# Altium PCB 智能灯控制器.PcbDoc
Units mm, origin at the board's own origin, x right, y up, seen from the top; angles counter-clockwise.
Board outline 70.15 x 45.15 mm, 2 copper layers (Top Layer, Bottom Layer); 31 components, 29 nets, 132 pads, 109 vias.
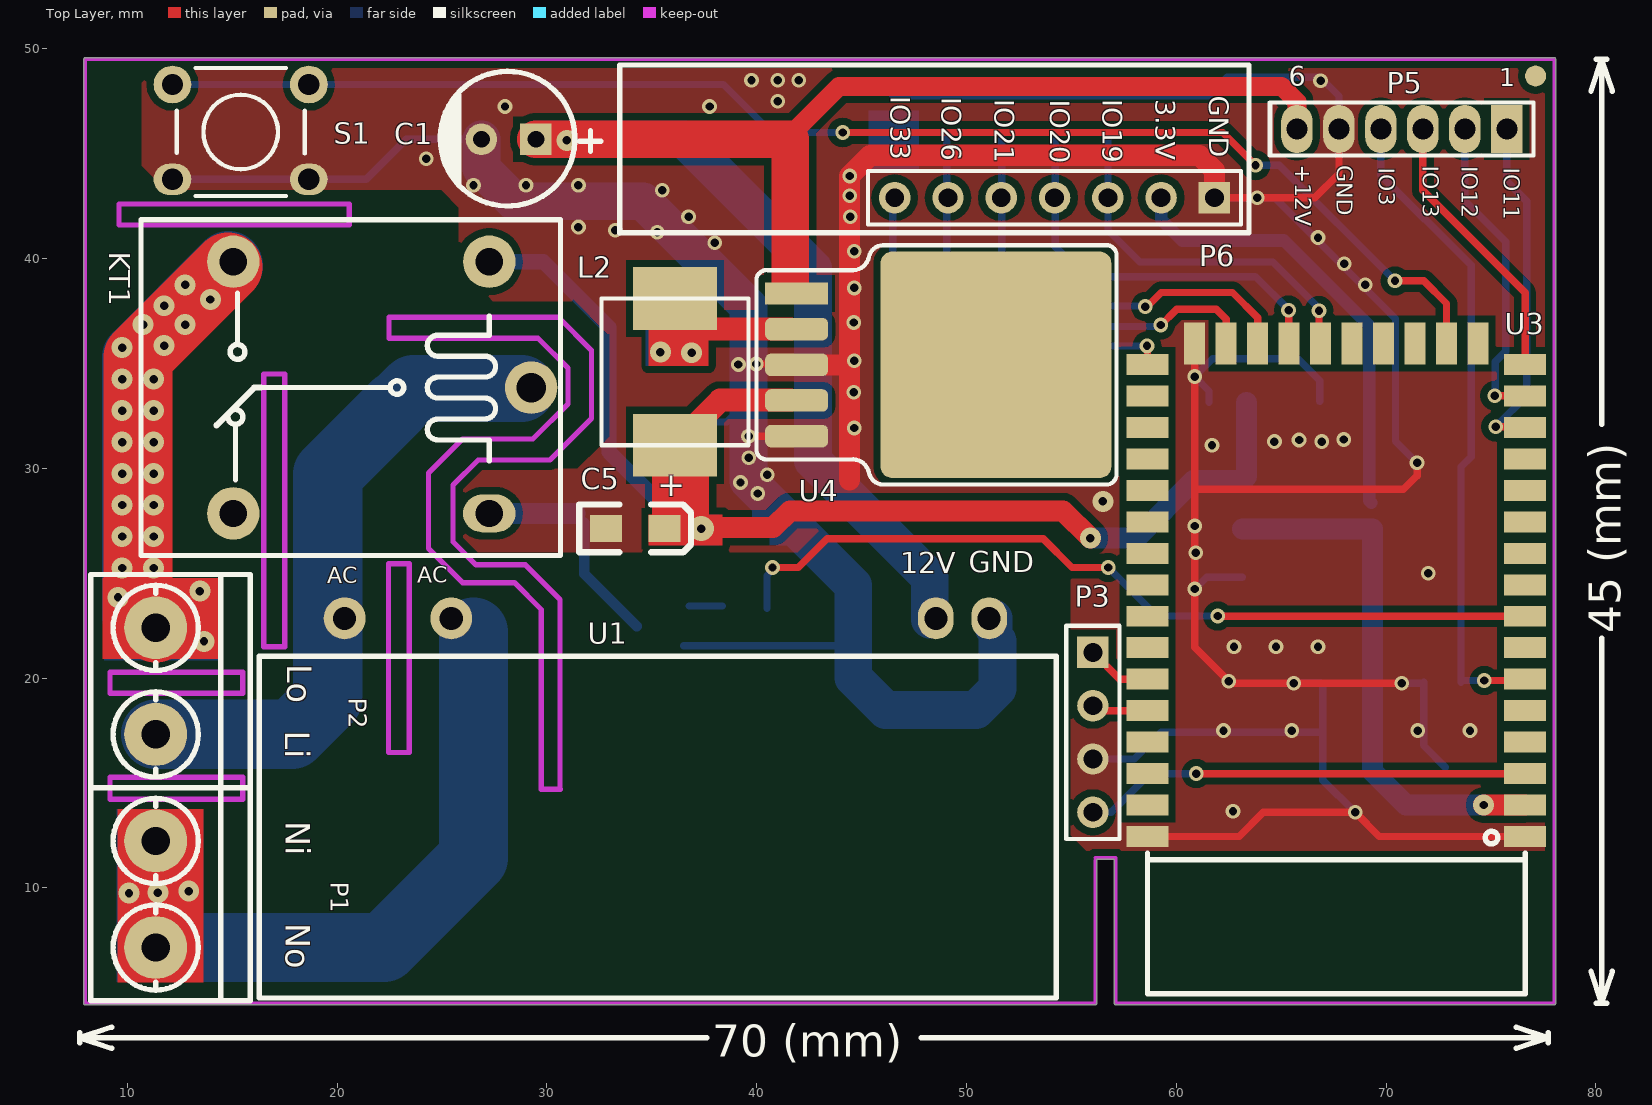
[diagram p0: Top Layer view]
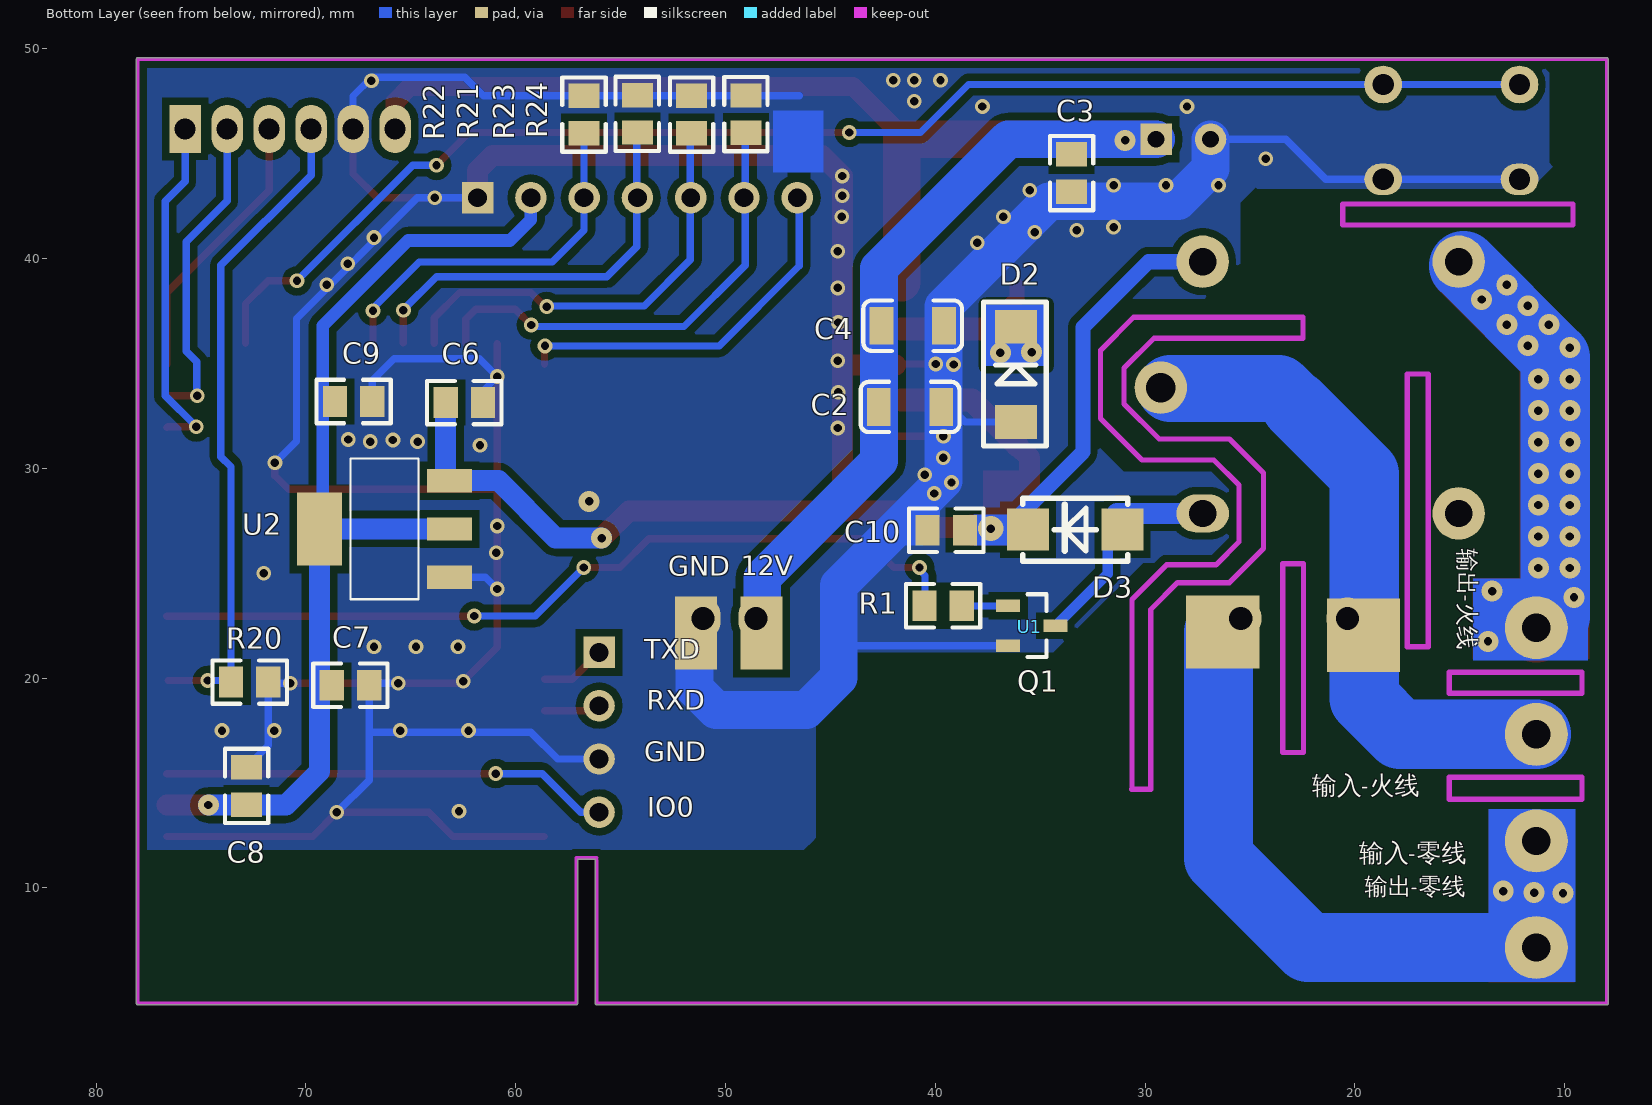
[diagram p1: Bottom Layer view, seen from below]

## Layer stack, top to bottom
Top Layer: signal copper 0.0356
Dielectric: dielectric 0.32, FR-4, Dk 4.8
Bottom Layer: signal copper 0.0356

## Board outline
7.924,4.5 ccw(c8,4.5) 8,4.424 56.125,4.424 ccw(c56.125,4.5) 56.201,4.5 56.201,11.335 ccw(c56.125,11.335) 56.198,11.359 57.049,11.359 57.049,4.5 ccw(c57.125,4.5) 57.125,4.424 78,4.424 ccw(c78,4.5) 78.076,4.5 78.076,49.5 ccw(c78,49.5) 78,49.576 8,49.576 ccw(c8,49.5) 7.924,49.5

## Design rules (kind name [scope] priority, off if disabled: settings)
Clearance Clearance_3 [All] p1 off: gap=0.254
Clearance Clearance_2 [All] p2: gap=0.18
Clearance Clearance_1 [All] p3 off: gap=0.35
Clearance [All] p4 off: gap=0.16
PolygonConnect [All] p1: connectstyle=Direct reliefconductorwidth=0.254 reliefentries=4 polygonreliefangle="90 Angle"
RoutingVias [All] p1: holewidth=0.711 width=1.27 viastyle="Through Hole" minholewidth=0.711 minwidth=1.27 maxholewidth=0.711 maxwidth=1.27
SilkscreenOverComponentPads SilkToSolderMaskClearance [IsPad] p1: minsilkscreentomaskgap=0.254
SolderMaskExpansion [All] p1: expansion=0.102
TestPointUsage FabricationTestPointUsage [All] p1: valid=0 allowmultiple=FALSE
Testpoint FabricationTestpoint [All] p1: side=3 testpointundercomponent=TRUE minsize=1.016 maxsize=2.54 preferedsize=1.524 minholesize=0 maxholesize=1.016 preferedholesize=0.813 testpointgrid=0.025 style=297 order=0-112345678
UnRoutedNet [All] p1 off:
Width Width_9 [All] p1 off: maxlimit=1 minlimit=1 preferedwidth=1
Width Width_8 [All] p2 off: maxlimit=0.254 minlimit=0.254 preferedwidth=0.254
Width Width_7 [All] p3: maxlimit=0.35 minlimit=0.35 preferedwidth=0.35
Width Width_6 [All] p4 off: maxlimit=3.3 minlimit=3.3 preferedwidth=3.3
Width Width_5 [All] p5 off: maxlimit=2.5 minlimit=2.5 preferedwidth=2.5
Width Width_4 [All] p6 off: maxlimit=3 minlimit=0.254 preferedwidth=3
Width Width_3 [All] p7 off: maxlimit=0.254 minlimit=0.254 preferedwidth=0.254
Width Width_2 [All] p8 off: maxlimit=0.72 minlimit=0.72 preferedwidth=0.72
Width Width_1 [All] p9 off: maxlimit=1.8 minlimit=1.8 preferedwidth=1.8
Width [InNet('3V3')] p10 off: maxlimit=0.6 minlimit=0.6 preferedwidth=0.6
22 further rules are at their usual default settings.

## Components (designator, comment, footprint, x,y, rotation, side; value= is the part's Value field where it differs from the comment)
C1 "330UF/25V" C6X8 28.175,45.685 r180 top
C2 "10uF/50V" 1206C 41.2,32.925 r0 bottom
C3 "0.1uF/50V" 0805 33.5,44.075 r90 bottom
C4 "10uF/50V" 1206C 41.075,36.8 r0 bottom
C5 "10uF/16V" 3216 34.2,27.135 r0 top
C6 "0.1uF/50V" 0805 62.45,33.135 r0 bottom
C7 "0.1uF/50V" 0805 67.875,19.66 r0 bottom
C8 "0.1uF/50V" 0805 72.825,14.86 r270 bottom
C9 "0.1uF/50V" 0805 67.725,33.185 r0 bottom (schematic designator C4)
C10 "0.1uF/50V" 0805 39.475,27.05 r180 bottom (schematic designator C3)
D2 "1N5822" DO-214AC 36.15,32.21 r270 bottom
D3 "IN4007" SMA 33.325,27.075 r0 bottom
KT1 "继电器 T-73 5V" "继电器 T-73直流SONGLE松乐小微型电磁继电器 SRD-24VDC-SL-C 5脚24Vdc" 22.15,33.85 r180 top locked
L2 "100UH" SMD7*7 36.1,34.6 r270 top
P1 "KF301-2P" "Z座KF301-2P 5.08" 11.35,9.7 r0 top
P2 "KF301-2P 5.08" "Z座KF301-2P 5.08" 11.35,19.86 r0 top
P3 "烧录接口" HDR1X4 56.025,21.225 r270 top
P5 "Comment" HDR1X62.0 70.75,46.175 r180 top locked
P6 "433射频模块" HDR1X7 61.815,42.9 r180 top
Q1 "8050" "SOT23_N BEC 123" 35.4,22.5 r180 bottom
R1 "1K" 0805 39.625,23.45 r0 bottom
R20 "10K" 0805 72.675,19.81 r180 bottom
R21 "10K" 0805 54.2,46.9 r270 bottom
R22 "10K" 0805 56.74,46.865 r270 bottom
R23 "10K" 0805 51.615,46.865 r90 bottom
R24 "10K" 0805 49.025,46.885 r90 bottom
S1 "KEY" "key - 1" 15.4,46.035 r180 top
U1 "220V/12V" "模块电源12V10W 认证款 - 贴2" 35.5,22.45 r0 top locked
U2 "AMS1117-3.3V" SOT223 66.25,27.11 r90 bottom
U3 "ESP32-S2 ESP-12K" ESP-12K 67.625,24.2 r180 top locked
U4 "LM2576-5.0" TO-263-5 46.65,34.935 r270 top

## Footprints (in the part's own frame and the unit in brackets; to place one, negate y for a bottom-side part, rotate by r counter-clockwise, add the part's x,y. Pads: shape width x height; smd on the part's side, far side on the other; paste and mask are expansions set on the pad)
0805 [mm]
  rect 1.16x1.47 smd: 1(-0.89,0) 2(0.89,0)
  silkscreen extent -1.77,-1.04 1.77,1.03
1206C [mm]
  rect 1.13x1.8 smd: 1(-1.49,0) 2(1.49,0)
  silkscreen extent -2.36,-1.2 2.35,1.2
3216 [mil]
  rect 60x50 smd: 1(55,0) 2(-55,0)
  silkscreen extent -105,-45 105,45
C6X8 [mm]
  rect 1.5x1.5 hole 0.8: 1(-1.3,0)
  round 1.5 hole 0.8: 2(1.3,0)
  silkscreen extent -4.4,-3.24 3.26,3.18
DO-214AC [mm]
  rect 1.6x2 smd: 1(0,0) 2(-4.535,0)
  silkscreen extent -5.71,-1.55 1.14,1.45
ESP-12K [mm]
  rect 2x1 smd: 1(-9,11.75) 2(-9,10.25) 3(-9,8.75) 4(-9,7.25) 5(-9,5.75) 6(-9,4.25) 7(-9,2.75) 8(-9,1.25) 9(-9,-0.25) 10(-9,-1.75) 11(-9,-3.25) 12(-9,-4.75) 13(-9,-6.25) 14(-9,-7.75) 15(-9,-9.25) 16(-9,-10.75) 27(9,-10.75) 28(9,-9.25) 29(9,-7.75) 30(9,-6.25) 31(9,-4.75) 32(9,-3.25) 33(9,-1.75) 34(9,-0.25) 35(9,1.25) 36(9,2.75) 37(9,4.25) 38(9,5.75) 39(9,7.25) 40(9,8.75) 41(9,10.25) 42(9,11.75)
  rect 1x2 smd: 17(-6.75,-11.75) 18(-5.25,-11.75) 19(-3.75,-11.75) 20(-2.25,-11.75) 21(-0.75,-11.75) 22(0.75,-11.75) 23(2.25,-11.75) 24(3.75,-11.75) 25(5.25,-11.75) 26(6.75,-11.75)
  silkscreen extent -9,11.5 9,19.25
HDR1X4 [mm] "Connector; Header; 4 Position"
  rect 1.5x1.5 hole 0.9: 1(0,0)
  round 1.5 hole 0.9: 2(2.54,0) 3(5.08,0) 4(7.62,0)
  silkscreen extent -1.27,-1.27 8.89,1.27
HDR1X7 [mm] "Connector; Header; 7 Position"
  rect 1.5x1.5 hole 0.9: 1(0,0)
  round 1.5 hole 0.9: 2(2.54,0) 3(5.08,0) 4(7.62,0) 5(10.16,0) 6(12.7,0) 7(15.24,0)
  silkscreen extent -1.27,-1.27 16.51,1.27
HDR1X62.0 [mm]
  rect 1.5x2.3 hole 1: 1(-5,0)
  oval 1.5x2.3 hole 1: 2(-3,0) 3(-1,0) 4(1,0) 5(3,0) 6(5,0)
  silkscreen extent -6.27,-1.27 6.3,1.27
"key - 1" [mil] "直插按钮"
  oval 70.87x59.06 hole 40: 1(-128,89) 1(128,89)
  round 70.87 hole 40: 2(-128,-89) 2(128,-89)
  silkscreen extent -120,-120 120,120
SMA [mm]
  rect 2x2 smd: 1(-2.25,0) 2(2.25,0)
  silkscreen extent -2.5,-1.5 2.5,1.5
SMD7*7 [mm]
  rect 3x4 smd: 1(3.5,0) 2(-3.5,0)
  silkscreen extent -3.5,-3.5 3.5,3.5
"SOT23_N BEC 123" [mm]
  rect 1.15x0.6 smd: 1(-1.125,0.95) 2(-1.125,-0.95) 3(1.125,0)
  silkscreen extent -0.2,-1.5 0.7,1.5, body extent -0.7,-1.5 0.7,1.5, height 1.1
SOT223 [mm]
  rect 1.1x2.15 smd: 1(-2.3,-3.1) 2(0,-3.1) 3(2.3,-3.1)
  rect 3.5x2.15 smd: 4(0,3.1)
  silkscreen extent -3.35,-1.63 3.35,1.63
TO-263-5 [mm]
  rrect10% 10.8x11 smd: 0(0,4.75)
  rect 1.07x3 smd: 1(-3.4,-4.75)
  rrect50% 1.07x3 smd: 2(-1.7,-4.75) 3(0,-4.75) 4(1.7,-4.75) 5(3.4,-4.75)
  silkscreen extent -5.7,-6.66 5.7,10.5
"Z座KF301-2P 5.08" [mm]
  round 3 hole 1.35: 1(0,2.54) 2(0,-2.54)
  silkscreen extent -3.1,-5.08 4.5,5.08
"模块电源12V10W 认证款 - 贴2" [mm] "https://item.taobao.com/item.htm?spm=a1z0d.6639537.1997196601.206.796b7484ux6eUt&id=552800241410"
  rect 3.5x3.5 smd far side: 1(-15.912,-0.4) 2(-9.212,-0.25)
  round 2 hole 1.1: 1(-15.142,0.4) 2(-10.062,0.4)
  rect 2x3.5 smd far side: 3(12.788,-0.3) 4(15.913,-0.3)
  oval 1.7x2 hole 1.1: 3(13.038,0.4) 4(15.578,0.4)
  silkscreen extent -19.22,-17.7 18.78,-1.4
"继电器 T-73直流SONGLE松乐小微型电磁继电器 SRD-24VDC-SL-C 5脚24Vdc" [mm] "T-73直流SONGLE松乐小微型电磁继电器 SRD-24VDC-SL-C 5脚24Vdc"
  oval 2.5x1.8 hole 1.3: 1(-5.1,6)
  round 2.5 hole 1.3: 2(-5.1,-6) 4(7.1,6) 5(7.1,-6)
  round 2.5 hole 1.4: 3(-7.1,0)
  silkscreen extent -8.5,-8 11.5,8

## Part data
C1 C5: library part ELECTRO1, "Electrolytic Capacitor"
C2 C3 C4 C6 C7 C8 C9 C10: library part C
D2: library part ZENER3, "Zener Diode"
D3: library part D二极管
KT1: library part 继电器1
L2: library part L1
P1 P2: library part "Header 2", "Header, 2-Pin"
P3: library part "Header 4", "Header, 4-Pin"
P6: library part "Header 7", "Header, 7-Pin"
Q1: library part NPN
R1 R20 R21 R22 R23 R24: library part R电阻1
U1: library part 模块隔离220
U2: library part LM1117

## Free pads (board coordinates)
  round 1 smd: 3(77.125,48.7)

## Via types
v1: diameter 0.7, hole 0.4, Top Layer to Bottom Layer, 75 vias
v2: diameter 1, hole 0.4, Top Layer to Bottom Layer, 33 vias
v3: diameter 1.2, hole 0.4, Top Layer to Bottom Layer, 1 vias

## Nets (pads, with @x,y where several pads share a name; then routed paths per layer and width w, separated by ;. In a path a pad name is that pad's centre, name@x,y a point inside that pad or via, vN(x,y) a via of type N, cw(c..) or ccw(c..) an arc to the next point about the centre after c; other vN are vias at no path point)
3V3: C7.2 C8.2 C9.2 P6.2 U2.2 U2.4 U3.2 | length 47.2
  Top Layer w1: v2(74.65,13.95) U3.2
  Bottom Layer w0.6: P6.2 59.275,41.86 60.275,40.86 65.125,40.86 69.2,36.785 69.2,28.45 U2.4@69.3,28.35
  Bottom Layer w1: U2.2 U2.4 69.35,15.55 70.95,13.95 v2(74.65,13.95)
5V: C5.1 C6.2 C10.2 D3.2 KT1.2 L2.1 U2.3 U4.4 | length 61.7
  Top Layer w1: L2.1 35.515,30.515 35.515,27.485 35.825,27.175 40.775,27.175 41.575,27.975 54.6,27.975 v2(55.9,26.675)
  Top Layer w1.1: L2.1 38.25,33.25 U4.4@41.6,33.25
  Bottom Layer w0.72: KT1.2 29.835,39.85 32.96,36.725 32.96,30.775 D3.2@36.025,27.71
  Bottom Layer w1: D3.2@35.575,26.96 D3.2@36.025,27.41 ; v2(55.9,26.675) 58.09,26.675 60.825,29.41 U2.3 63.34,29.6 C6.2
  other v3: 37.35,27.125
12V: C1.1 C2.2 C3.2 C4.2 P5.6 U1.3 U4.1 | length 80.7
  Top Layer w0.72: 41.6,45.885 41.6,45.685 41.625,45.685
  Top Layer w0.9: 41.6,45.885 43.925,48.21 65.015,48.21 65.75,47.475 P5.6
  Top Layer w1.8: C1.1 41.6,45.685 U4.1@41.6,38.86
  Bottom Layer w1.8: C1.1 36.525,45.685 42.675,39.535 42.675,30.36 48.25,24.785 U1.3@48.25,22.8
  other v2: 30.95,45.635
GND: C1.2 C2.1 C3.1 C4.1 C5.2 C6.1 C7.1 C8.1 C9.1 C10.1 D2.1 P3.3 P5.5 P6.1 Q1.2 R20.2 R21.1 R22.1 R23.2 R24.2 S1.1 U1.4 U2.1 U3.1 U3.26 U3.42 U4.3 U4.5 | length 257.6
  Top Layer w0.35: v1(39.61,31.535) U4.5 ; v1(39.975,34.975) U4.3@41.86,34.975 ; U4.3@41.6,34.95 U4.3@41.9,34.95 ; 43.95,35.235 44.038,35.322 ; U3.42 63,12.45 64.15,13.6 v1(68.525,13.6) 69.675,12.45 U3.1 ; U3.26 v1(60.875,34.375) 60.875,29 ; P6.1 66.6,42.9 67.75,44.05 P5.5 ; v1@70.85,19.75 v1(70.75,19.75) v1(65.6,19.75) 62.6,19.75 60.875,21.475 v1(60.875,24.25) 60.875,29 ; v1(71.475,30.26) 71.475,29.65 70.825,29 60.875,29
  Top Layer w1: U4.3 44.25,34.935 ; 44.425,29.45 v1(44.425,43.935) 45.4,44.91 61.1,44.91 61.815,44.195 P6.1
  Bottom Layer w0.35: S1.1@12.149,43.774 18.651,43.774 21.389,43.774 23.3,45.685 C1.2 ; D2.1 38.575,32.21 C2.1@39.2,32.835 ; Q1.2 44.6,21.55 ; 46.49,47.755 R23.2 R22.1 61.53,47.755 62.425,48.65 66.85,48.65 67.75,47.75 P5.5 ; P3.3 57.995,16.145 59.275,17.425 66.8,17.425 ; v1(60.875,24.25) 61.435,24.81 U2.1 ; C6.1 61.56,33.69 v1(60.875,34.375) 61.725,35.225 65.8,35.225 66.835,34.19 C9.1 ; P6.1 64.685,42.9 70.45,37.135 70.45,31.285 v1(71.475,30.26) ; v1(65.6,19.75) C7.1@66.895,19.75 ; C7.1 66.985,15.14 v1(68.525,13.6) ; v1(70.75,19.75) R20.2@71.725,19.75 ; R20.2 71.785,16.79 C8.1
  Bottom Layer w1.8: C1.2 26.875,44.285 28.425,42.735 34.575,42.735 39.6,37.71 39.6,29.41 44.6,24.41 44.6,20.025 46.15,18.475 50.45,18.475 51.475,19.5 U1.4@51.475,21.775 ; U1.4@51.3,22.375 U1.4@51.3,22.85
  other v1: 62.7,13.65 62.25,17.5 65.5,17.5 71.5,17.5 74,17.5 62.5,19.85 62.75,21.5 64.75,21.5 66.75,21.5 72,25 60.925,25.975 60.875,27.25 40.05,28.8 39.225,29.325 40.5,29.7 39.625,30.5 61.7,31.1 64.675,31.275 66.925,31.275 65.85,31.35 67.975,31.375 44.65,31.925 44.625,33.625 39.125,34.95 44.65,35.125 44.625,36.95 44.65,38.6 69,38.75 68,39.75 44.65,40.35 38,40.75 66.75,41 35.25,41.25 33.25,41.35 31.5,41.5 36.75,42 44.45,42 63.85,42.9 44.425,43 35.5,43.25 26.5,43.5 29,43.5 31.5,43.5 24.25,44.75 28,47.25 37.75,47.25 41,47.5 66.875,48.475 39.75,48.5 41,48.5 42,48.5
  other v2: 56.5,28.425
GPIO0: P3.4 U3.3 | length 21.4
  Top Layer w0.35: v1@60.865,15.45 v1(60.95,15.45) U3.3
  Bottom Layer w0.35: P3.4 56.895,13.605 58.74,15.45 v1(60.95,15.45)
GPIO1: U3.4
GPIO2: U3.5
GPIO3: P5.4 R20.1 U3.6 | length 31.3
  Top Layer w0.35: v1(74.675,19.885) U3.6@76.56,19.885
  Bottom Layer w0.35: P5.4 69.75,43.975 74.05,39.675 74.05,30.56 73.565,30.075 R20.1 ; R20.1@73.64,19.885 v1(74.675,19.885)
GPIO4: U3.7
GPIO5: R1.2 U3.8 | length 40.2
  Top Layer w0.35: v1(40.75,25.275) 41.975,25.275 43.35,26.65 53.65,26.65 55.025,25.275 v1(56.75,25.275) ; v1@61.935,22.95 U3.8
  Bottom Layer w0.35: R1.2@40.49,23.325 40.49,24.89 40.875,25.275 v1@40.925,25.275 ; v1(56.75,25.275) 59.065,22.96 v1(61.975,22.96)
GPIO6: U3.9
GPIO10: 
GPIO11: P5.1 U3.14 | length 16.7
  Top Layer w0.35: v1(75.225,31.985) 76.59,31.985 U3.14
  Bottom Layer w0.35: v1@75.088,32.048 75.288,32.048 76.7,33.46 76.7,42.735 75.75,43.685 P5.1
GPIO12: P5.2 U3.15 | length 15.5
  Top Layer w0.35: v1(75.175,33.46) U3.15@76.615,33.46
  Bottom Layer w0.35: P5.2@73.6,46.175 P5.2@73.6,46.375 ; P5.2 73.75,42.75 75.7,40.8 75.7,35.585 75.2,35.085 75.2,33.46 v1@75.125,33.385
GPIO13: P5.3 U3.16 | length 13.2
  Top Layer w0.35: P5.3 71.75,43.25 76.625,38.375 U3.16
GPIO15: S1.2 U3.18 | length 67
  Top Layer w0.35: v1(44.1,46.01) 62.215,46.01 v1(63.775,44.45) ; v1(70.425,38.935) 71.8,38.935 72.875,37.86 U3.18
  Bottom Layer w0.35: S1.2@12.149,48.296 18.651,48.296 38.414,48.296 40.7,46.01 v1(44.1,46.01) ; v1(63.775,44.45) 64.91,44.45 v1(70.425,38.935)
GPIO19: P6.3 R22.2 U3.22 | length 17.5
  Top Layer w0.35: U3.22@66.8,36.025 v1(66.8,37.51)
  Bottom Layer w0.35: R22.2 56.74,41.345 58.25,39.835 64.6,39.835 v1@66.675,37.76
GPIO20: P6.4 R21.2 U3.23 | length 19.5
  Top Layer w0.35: U3.23@65.35,35.975 v1(65.35,37.535)
  Bottom Layer w0.35: R21.2@54.09,46.025 54.225,45.89 54.225,40.56 55.65,39.135 63.775,39.135 65.35,37.56 v1(65.35,37.535)
GPIO21: P6.5 R23.1 U3.24 | length 21.2
  Top Layer w0.35: v1(58.525,37.71) 58.6,37.71 59.275,38.385 62.675,38.385 63.875,37.185 U3.24
  Bottom Layer w0.35: R23.1 51.675,45.915 51.675,39.935 53.875,37.735 v1@58.525,37.735
GPIO26: P6.6 R24.1 U3.25 | length 22.6
  Top Layer w0.35: v1@59.175,36.76 59.2,36.76 60.025,37.585 61.9,37.585 62.375,37.11 U3.25
  Bottom Layer w0.35: R24.1@48.915,45.975 49.05,45.84 49.05,39.685 51.975,36.76 v1@59.175,36.76
  other v1: 59.25,36.835
GPIO33: P6.7 U3.27 | length 17.8
  Top Layer w0.35: U3.27 v1@58.625,35.835
  Bottom Layer w0.35: P6.7@46.49,42.9 46.49,39.645 50.3,35.835 v1(58.6,35.835)
L: KT1.3 P2.2 U1.1 | length 30.5
  Bottom Layer w3.2: 22.8,32.985 23.629,33.814 KT1.3@28.784,33.814
  Bottom Layer w3.3: P2.2 17.845,17.32 19.55,19.025 19.55,29.735 22.8,32.985
LO: KT1.5 P2.1 | length 38.2
  Top Layer w3.3: P2.1 10.5,23.25 10.5,35.3 KT1.5@14.8,39.6
  Bottom Layer w3.2: P2.1@10.45,22.94 P2.1@10.675,22.715
  Bottom Layer w3.3: P2.1@10.45,22.94 10.45,35.285 KT1.5@14.825,39.66
  other v2: 13.65,21.75 9.55,23.85 13.45,24.15 9.75,25.25 11.25,25.25 9.75,26.75 11.25,26.75 9.75,28.25 11.25,28.25 9.75,29.75 11.25,29.75 9.75,31.25 11.25,31.25 9.75,32.75 11.25,32.75 9.75,34.25 11.25,34.25 9.75,35.75 11.75,35.85 10.75,36.85 12.75,36.85 11.75,37.75 13.95,38.05 12.75,38.75
N: P1.1 P1.2 U1.2 | length 27.6
  Bottom Layer w3.3: P1.2@11.475,7.16 22.235,7.16 26.5,11.425 U1.2@26.5,22.2
  other v2: 10.075,9.75 11.45,9.775 12.925,9.85
NetD2_2: D2.2 L2.2 U4.2 | length 11
  Top Layer w0.72: L2.2@36.1,38.69 L2.2 L2.2@37.55,36.65
  Top Layer w1: L2.2@37.565,36.635 U4.2
  Top Layer w1.1: L2.2@37.55,36.65 U4.2@41.6,36.65
  other v2: 36.9,35.51 35.4,35.535
NetD3_1: D3.1 KT1.1 Q1.3 | length 10.1
  Bottom Layer w0.5: D3.1@31.775,27.41 31.775,24.975 Q1.3@34.275,22.475
  Bottom Layer w1: KT1.1 D3.1@31.335,27.85
NetQ1_1: Q1.1 R1.1 | length 1.6
  Bottom Layer w0.35: Q1.1@36.785,23.44 R1.1@38.35,23.44
RXD: P3.2 U3.38 | length 2.4
  Top Layer w0.35: P3.2@56.26,18.45 U3.38
TXD: P3.1 U3.37 | length 3.1
  Top Layer w0.35: P3.1 57.3,19.95 U3.37
pads on no net: KT1.4 U3.10 U3.11 U3.12 U3.13 U3.17 U3.19 U3.20 U3.21 U3.28 U3.29 U3.30 U3.31 U3.32 U3.33 U3.34 U3.35 U3.36 U3.39 U3.40 U3.41 U4.0

## Polygon pours and split planes (outlines as drawn)
GND on Top Layer "Top Layer-No Net" (solid, pour order 10): 78.3,11.775 55.7,11.775 54.975,12.5 54.975,25.4 54.375,26 26.275,26 25.75,26.525 25.75,28.5 25.75,29.25 26.475,29.975 30.975,29.975 31.45,29.975 32.6,31.125 33,31.525 33,36.425 32.875,36.425 31.25,38.05 31.175,37.975 28.025,37.975 27.425,37.975 26.15,39.25 25.8,39.6 25.8,41.675 25.8,42.425 25,43.225 24.95,43.275 12.1,43.275 11.825,43.275 10.675,44.425 10.675,46.45 10.675,48.375 11.825,49.525 11.971,49.671 78.254,49.671
GND on Bottom Layer "Top Layer-No Net" (solid, pour order 8): 77.94,11.809 46.265,11.809 45.815,12.259 45.69,12.384 45.69,16.159 45.69,20.134 44.59,21.234 36.04,21.234 34.365,21.234 32.84,22.759 30.09,25.509 29.015,25.509 27.04,25.509 25.89,26.659 25.465,27.084 25.465,28.384 25.465,29.134 25.815,29.484 26.165,29.834 27.29,29.834 31.015,29.834 31.565,30.384 32.665,31.484 32.665,34.359 32.665,36.384 30.765,38.284 30.565,38.084 27.115,38.084 25.465,39.734 25.465,41.259 25.465,42.659 24.715,43.409 24.64,43.334 19.415,43.334 11.615,43.334 10.565,44.384 10.74,44.559 10.74,46.709 10.74,48.859 11.465,49.584 77.965,49.584

## Keep-outs
Keep-Out Layer:
  lines w0.152: 56.125,11.335 56.125,4.5 8,4.5 8,49.5 78,49.5 78,4.5 57.125,4.5 57.125,11.435 56.125,11.435
  lines w0.25: 29.725,14.7 29.725,23.275 28.45,24.55 25.975,24.55 24.35,26.175 24.35,29.775 25.975,31.4 29.325,31.4 31,33.075 31,34.775 29.575,36.2 24.025,36.2 22.475,36.2 22.475,37.2 24.425,37.2 30.55,37.2 32.125,35.625 32.125,32.375 30.15,30.4 26.725,30.4 25.525,29.2 25.525,26.5 26.625,25.4 28.975,25.4 30.625,23.75 30.625,14.7 ; 9.175,14.225 9.175,15.275 15.5,15.275 15.5,14.225 9.175,14.225 ; 9.175,19.285 15.5,19.285 15.5,20.285 9.175,20.285 9.175,19.285 ; 9.6,41.6 9.6,42.6 20.575,42.6 20.575,41.6 9.6,41.6 ; 22.44,16.45 23.44,16.45 23.44,25.45 22.44,25.45 22.44,16.45
  lines w0.254: 29.725,14.7 30.625,14.7 ; 16.5,21.5 16.5,34.5 17.5,34.5 17.5,21.5 16.5,21.5

## Other copper
Top Layer:
  rectangle net N: 9.525,5.5 13.625,13.75
  rectangle net NetD2_2: 34.85,34.885 37.7,36.935
  rectangle net LO: 8.825,20.9 14.4,24.775
  rectangle net 5V: 34.85,26.325 38.375,27.8
  rectangle net 5V: 35.597,27.135 37.725,29.9
Bottom Layer:
  rectangle net GND: 45.325,44.1 47.725,47.05
  rectangle net N: 9.475,5.525 13.625,13.75
  rectangle net NetD2_2: 34.7,34.885 37.575,37.81
  rectangle net LO: 8.875,20.85 14.375,24.75
  rectangle net GND: 40.6,26.325 41.9,26.85
  rectangle net GND: 39.775,27.675 40.275,28.2
  rectangle net 5V: 36.35,26.325 38.175,27.8

## Silkscreen, mask and mechanical layers (free items; w line width, h text height)
Top Overlay:
  lines w0.254: 7.724,2.604 7.724,3.112 ; 9.248,2.35 7.724,2.858 ; 9.248,3.366 7.724,2.858 ; 37.62,2.858 7.724,2.858 ; 47.828,2.858 77.724,2.858 ; 76.2,2.35 77.724,2.858 ; 76.2,3.366 77.724,2.858 ; 77.724,2.604 77.724,3.112 ; 79.767,6.024 80.275,4.5 ; 79.767,47.976 80.275,49.5 ; 80.021,4.5 80.529,4.5 ; 80.021,49.5 80.529,49.5 ; 80.275,21.896 80.275,4.5 ; 80.275,32.104 80.275,49.5 ; 80.783,6.024 80.275,4.5 ; 80.783,47.976 80.275,49.5 ; 33.465,41.225 33.465,49.225 63.465,49.225 63.465,41.225 33.465,41.225
  text "6" at 65.35,47.925 h1.6
  text "1" at 75.4,47.925 h1.5
  text "GND" at 61.25,47.75 h1.6 r270
  text "IO33" at 46.075,47.725 h1.6 r270
  text "IO26" at 48.5,47.7 h1.6 r270
  text "IO21" at 51.025,47.6 h1.6 r270
  text "IO19" at 56.175,47.6 h1.6 r270
  text "3.3V" at 58.7,47.6 h1.6 r270
  text "IO20" at 53.675,47.575 h1.6 r270
  text "+12V" at 65.4,44.475 h1.3 r270
  text "GND" at 67.375,44.45 h1.3 r270
  text "IO13" at 71.475,44.425 h1.3 r270
  text "IO12" at 73.35,44.4 h1.3 r270
  text "IO3" at 69.375,44.325 h1.3 r270
  text "IO11" at 75.35,44.325 h1.3 r270
  text "+" at 35.25,28.3 h2
  text "45 (mm)" at 81.189,22.15 h1.52 r90
  text "Lo" at 17.25,20.65 h2 r270
  text "Li" at 17.15,17.5 h2 r270
  text "Ni" at 17.175,13.175 h2 r270
  text "No" at 17.175,8.325 h2 r270
  text "70 (mm)" at 37.874,1.944 h1.52
Bottom Overlay:
  text "输出-火线" at 15.3,26.175 h1.4 r90
  text "12V" at 49.275,24.6 h1.6
  text "GND" at 52.725,24.575 h1.6
  text "TXD" at 53.875,20.625 h1.6
  text "RXD" at 53.75,18.175 h1.6
  text "GND" at 53.875,15.725 h1.6
  text "输入-火线" at 22.025,14.175 h1.5
  text "IO0" at 53.725,13.075 h1.6
  text "输入-零线" at 19.8,10.95 h1.5
  text "输出-零线" at 19.525,9.4 h1.4
Bottom Solder:
  lines w2.2: 23.95,33.85 29.175,33.85
  lines w3.2: 11.35,7.16 22.31,7.16 26.55,11.4 26.55,21.55 ; 11.35,17.32 17.845,17.32 19.575,19.05 19.575,29.7 23.65,33.775 ; 11.35,22.4 10.45,23.3 10.45,35.275 14.9,39.725 ; 11.425,7.16 11.425,12.45 ; 23.925,33.85 29.175,33.85

## Text inside footprints (layer, text, board x,y; h text height)
U1: Top Overlay "AC" at 19.525,24.25 h1.3; Top Overlay "AC" at 23.825,24.275 h1.3; Top Overlay "GND" at 50.1,24.725 h1.7; Top Overlay "12V" at 46.85,24.675 h1.7